# Altium PCB wikiduino-ap8248.PCBDOC (part 1 of 3)
Units mm, origin at the board's own origin, x right, y up, seen from the top; angles counter-clockwise.
Board outline 221.69 x 138.99 mm, 2 copper layers (Top Layer, Bottom Layer); 241 components, 174 nets, 760 pads, 816 vias.
Unrouted connection lines stored in the file: 487.
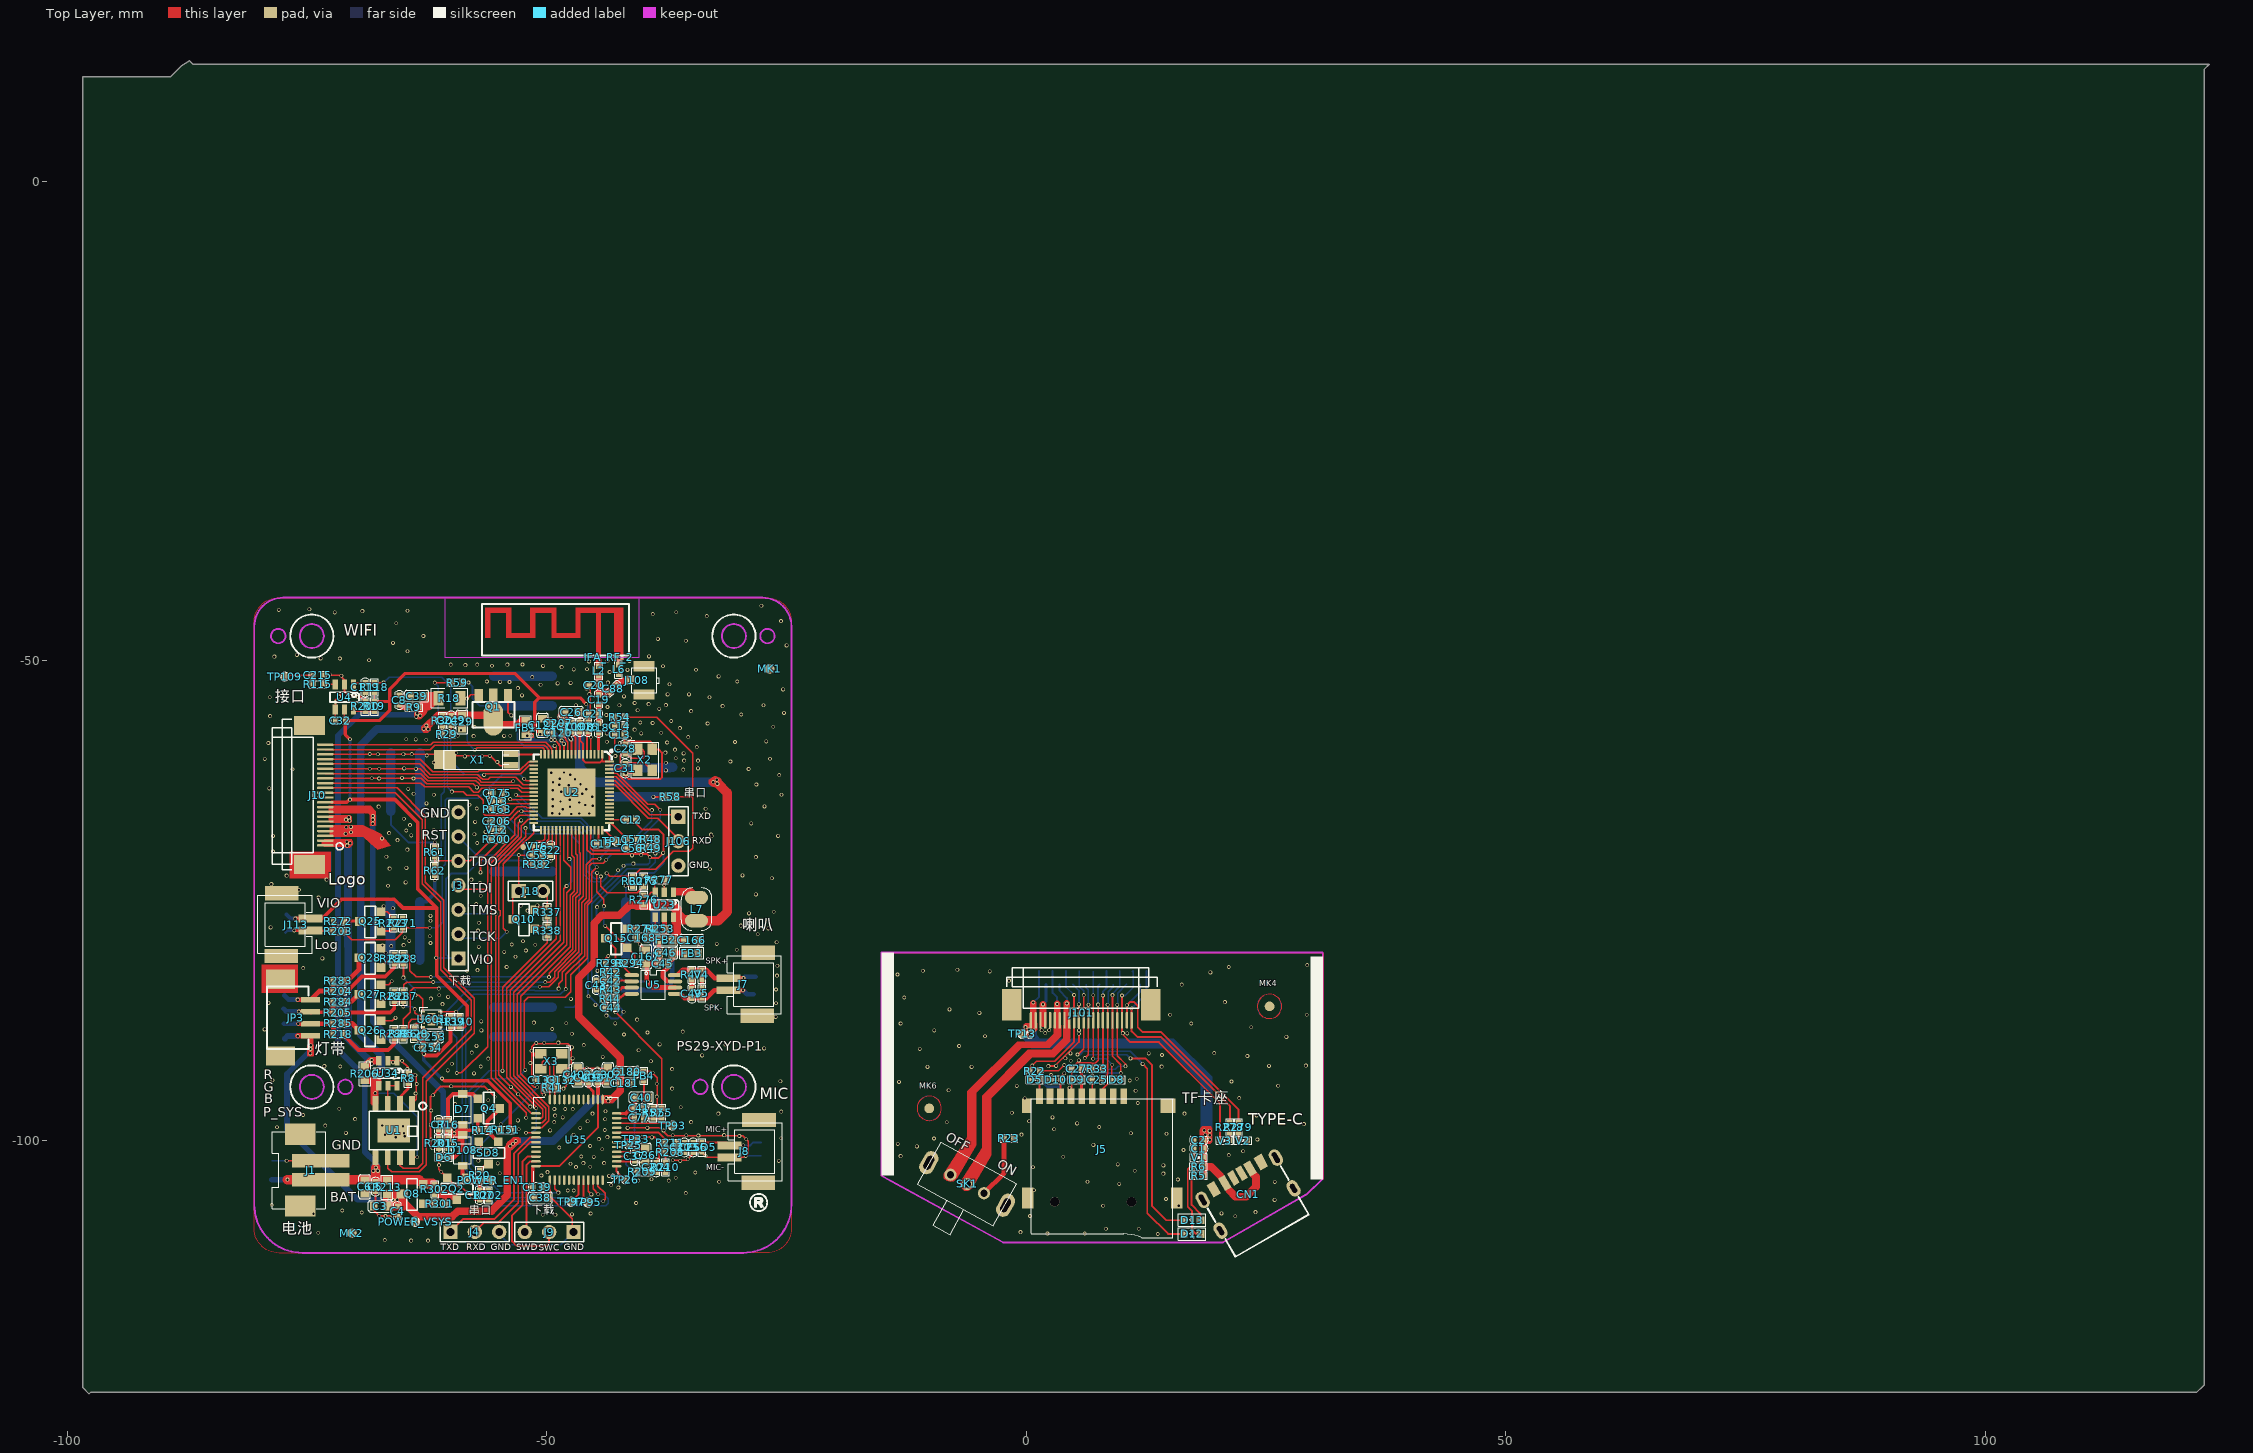
[diagram p0: Top Layer view]
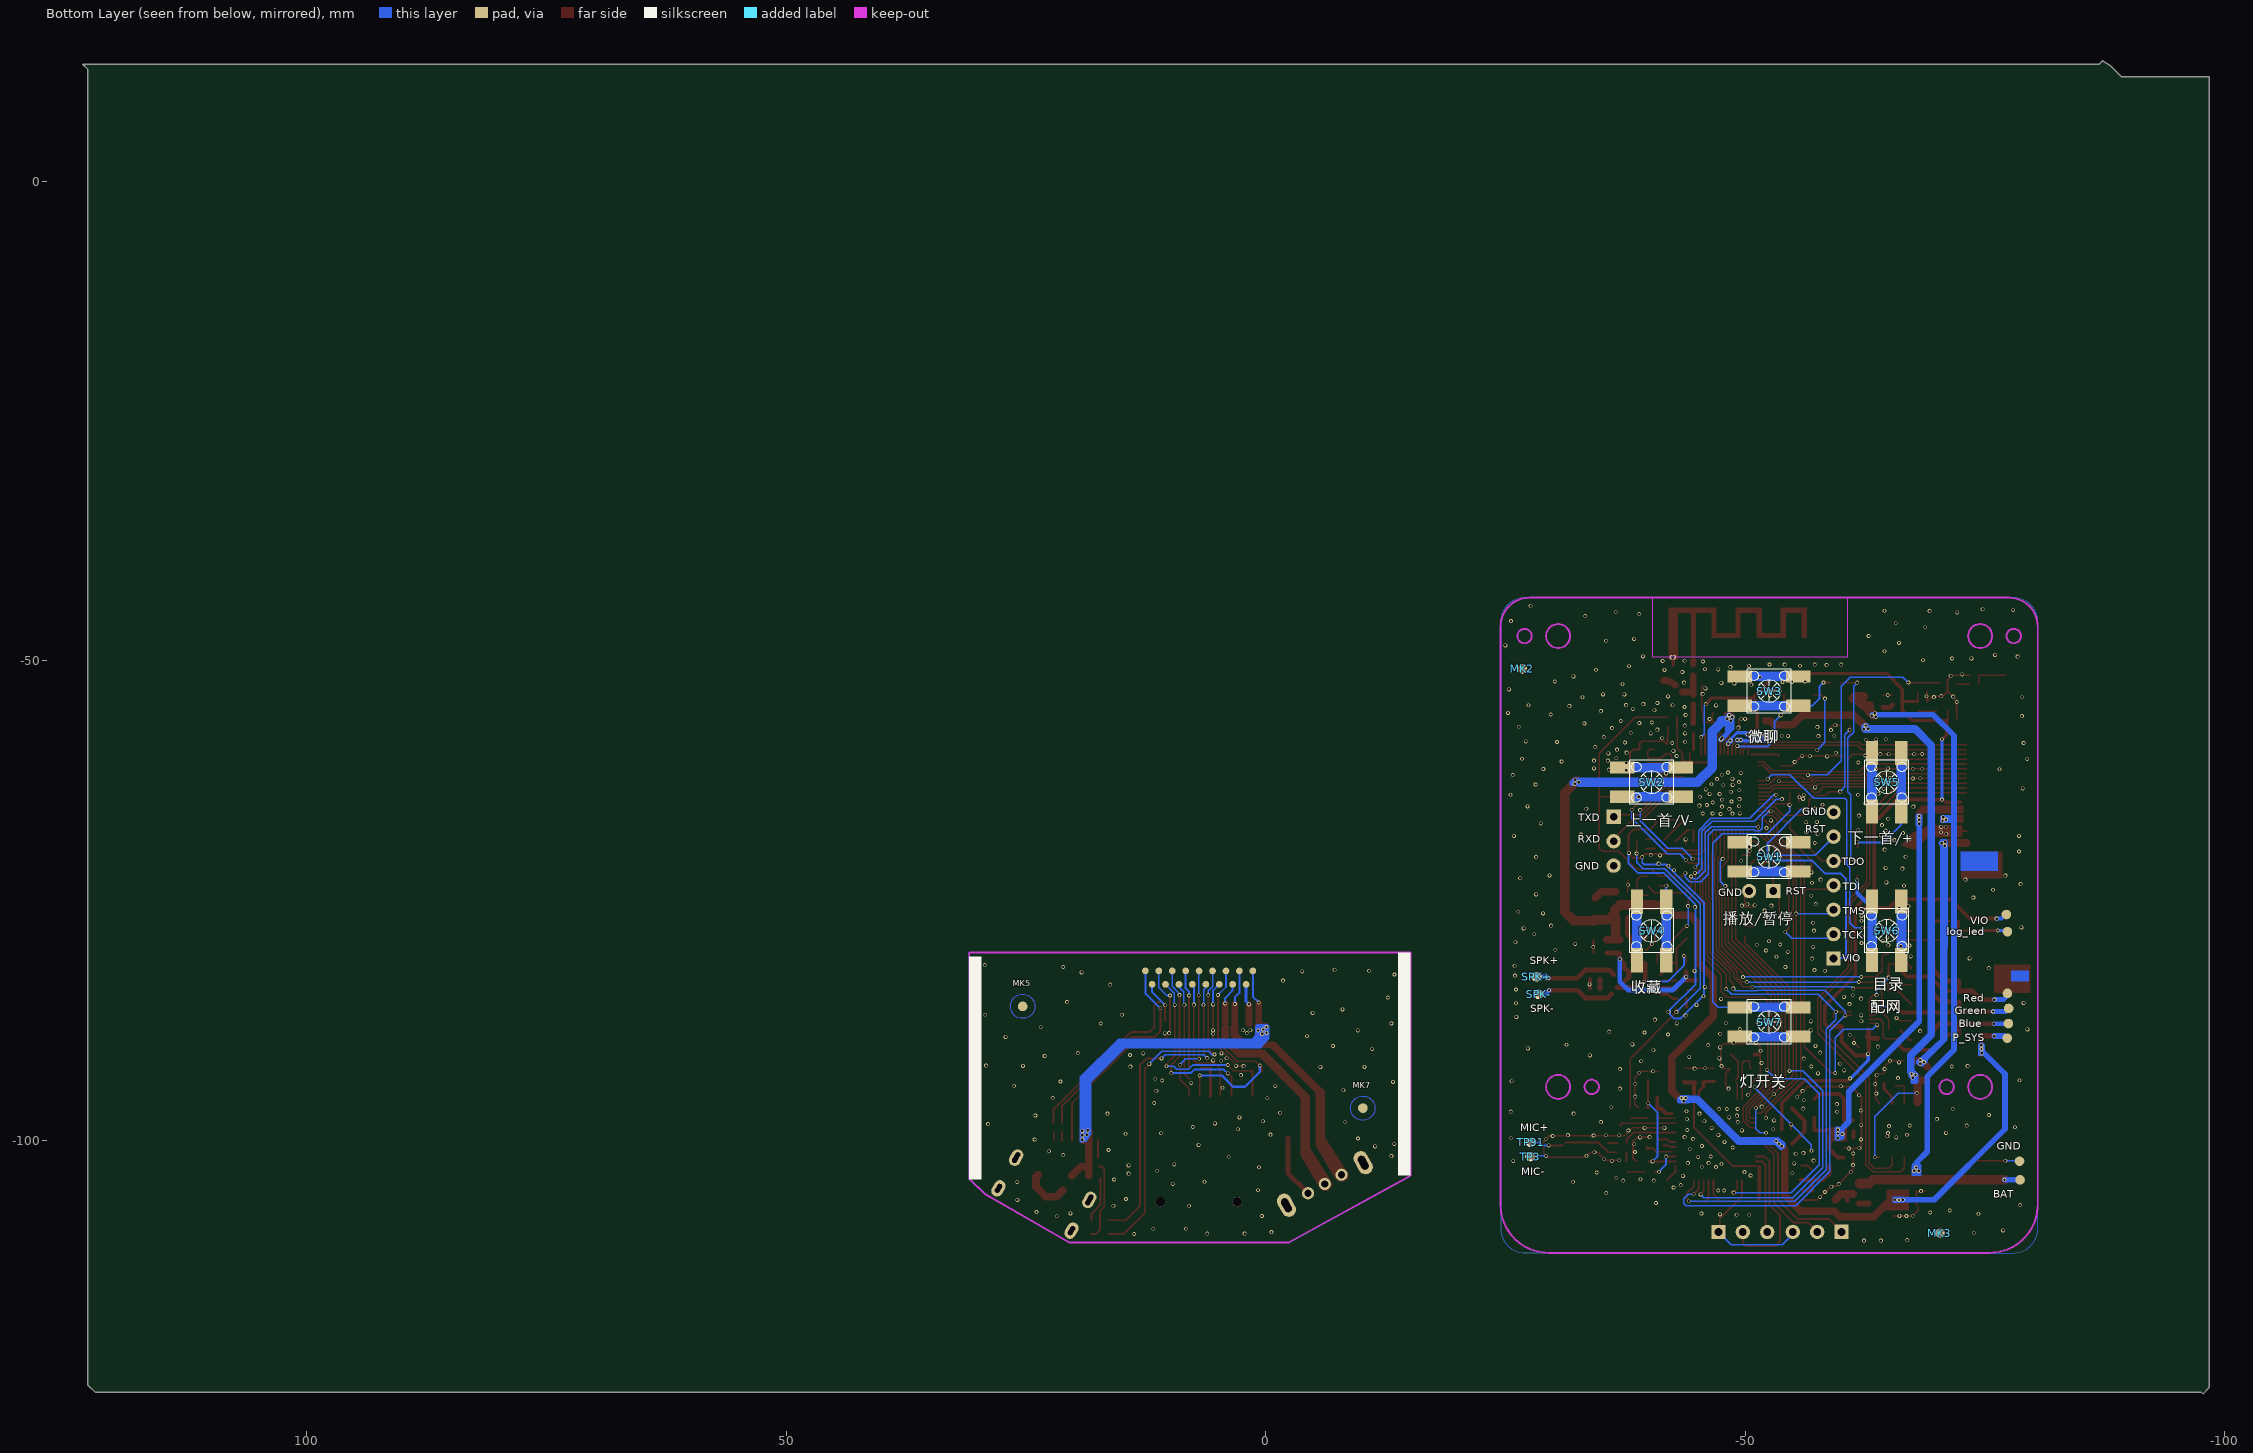
[diagram p1: Bottom Layer view, seen from below]

## Layer stack, top to bottom
Top Solder: solder mask 0.0102, Solder Resist, Dk 3.5
Top Layer: signal copper 0.0356
Dielectric1: core 0.32, FR-4, Dk 4.8
Bottom Layer: signal copper 0.0356
Bottom Solder: solder mask 0.0102, Solder Resist, Dk 3.5

## Board outline
-87.244,12.535 -86.888,12.18 66.223,12.18 123.322,12.18 122.814,11.672 122.814,-108.166 122.814,-125.488 122.662,-125.641 122.001,-126.301 -83.231,-126.301 -97.556,-126.301 -97.709,-126.454 -98.369,-125.793 -98.369,10.859 -89.225,10.859 -88.057,12.027

## Design rules (kind name [scope] priority, off if disabled: settings)
Clearance Clearance_4 [InNet('NetIFA_RF_2_2') vs InNet('GND')] p1: gap=0.17
Clearance Clearance_3 [InNet('NetC18_1') vs InNet('GND')] p2: gap=0.17
Clearance Clearance_2 [InNet('NetC19_1') vs InNet('GND')] p3: gap=0.17
Clearance Clearance_1 [InNet('NetC88_1') vs InNet('GND')] p4: gap=0.17
Clearance [All] p5: gap=0.17
FabricationTestPointUsage TestPointUsage [All] p1: valid=0 allowmultiple=FALSE
FabricationTestpoint Testpoint [All] p1: side=3 testpointundercomponent=TRUE minsize=1.016 maxsize=2.54 preferedsize=1.524 minholesize=0 maxholesize=1.016 preferedholesize=0.813 testpointgrid=0.025 allowsidetop=TRUE allowsidebottom=TRUE usegrid=TRUE gridtolerance=0
FlightTimeFalling [All] p1: maximum=1.000n
FlightTimeRising [All] p1: maximum=1.000n
HoleToHoleClearance [All] p1: gap=0 allowstackedmicrovias=TRUE
Length [All] p1: maxlimit=2540 minlimit=0
MatchedLengths [All] p1: tolerance=25.4 checknetsindiffpair=TRUE checkdiffpairvsdiffpair=TRUE checkothers=TRUE
MaxMinImpedance [All] p1: minimum=1.000 maximum=10.00
MinimumSolderMaskSliver [All] p1: minsoldermaskwidth=0
ParallelSegment [All] p1: limit=254 gap=0.254
PolygonConnect [All] p1: connectstyle=Direct reliefconductorwidth=0.254 reliefentries=4 polygonreliefangle="90 Angle" airgapwidth=0.254
RoutingVias "'Default' PADS rule_11" [All] p1: holewidth=0.2 width=0.4 viastyle="Through Hole" minholewidth=0.2 minwidth=0.4 maxholewidth=7 maxwidth=12
SMDToCorner "'Default' PADS rule_16" [All] p1: distance=59055
SMDToPlane "'Default' PADS rule_17" [All] p1: distance=59055
SilkToSilkClearance [All] p1: silktosilkclearance=0
SilkToSolderMaskClearance SilkscreenOverComponentPads [IsPad] p1: minsilkscreentomaskgap=0 clearancetoexposedcopper=TRUE
SolderMaskExpansion [All] p1: expansion=0.102
Width [All] p1: maxlimit=5 minlimit=0.1 preferedwidth=0.254 minimp=50.000000 maximp=50.000000 favimp=50.000000
23 further rules are at their usual default settings.

## Classes and differential pairs
component class 04-AP8248A2: C36 C37 C38 C40 C41 C132 C133 C139 C180 C181 C203 C204 C256 C301 C302 C402 C403 ESD5 FB4 J4 J8 J9 MK1 MK2 MK3 MK4 MK5 MK6 MK7 MK8 R41 R208 R209 R210 R211 TP25 TP26 TP33 TP91 TP92 TP93 TP95 TP97 U35 X3
component class 06__KEY: BAT C32 C119 C175 C206 C215 R19 R54 R58 R59 R60 R61 R62 R115 R118 R163 R200 R300 SW1 SW2 SW3 SW4 SW5 SW6 SW7 TP109 U4 V12 V13
component class 04__LED: C253 C254 J16 J113 JP3 Q25 Q26 Q27 Q28 R139 R140 R203 R204 R205 R218 R271 R272 R273 R280 R281 R282 R283 R284 R285 R286 R287 R288 R528 TP99 TP121 U3 U7 U601
component class 05__BK7251: C12 C13 C14 C15 C16 C18 C19 C20 C21 C22 C26 C28 C31 C42 C43 C44 C45 C46 C48 C49 C53 C56 C57 C77 C88 C108 C109 C120 C121 C166 C167 C168 C207 FB1 FB2 FB3 IFA_RF_2 J3 J7 J18 J106 J108 L2 L6 L7 Q10 Q15 R42 R43 R44 R46 R47 R48 R49 R55 R57 R253 R274 R275 R276 R277 R293 R294 R337 R338 R382 SPK SPK+ SPK- TP11 U2 U5 U23 V4 V5 V16 X1 X2
component class "07_Power & TF": C1 C2 C25 C27 CN1 D5 D8 D9 D10 D12 D13 J5 J101 R5 R6 R22 R23 R33 R278 R279 SK1 TP13 TP108 V1 V2 V3
component class 03__POWER&INTERFACE: C3 C4 C5 C6 C7 C8 C29 C39 C107 C249 D6 D7 D108 J1 J10 POWER_EN1 POWER_VSYS Q1 Q2 Q4 Q8 R8 R9 R14 R15 R16 R18 R20 R29 R30 R151 R201 R202 R206 R213 R301 R302 SD8 TP2 TP3 U1 U34

## Components (designator, comment, footprint, x,y, rotation, side; value= is the part's Value field where it differs from the comment)
C1 "4.7uF ±20％ X5R 10V" C0402 17.979,-100.885 r180 top
C2 "NC/100nF ±20% X5R 25V" C0402 17.979,-99.985 r180 top
C3 "10uF ±20％ X5R 10V" C0603 -67.332,-106.892 r0 top
C4 "100nF ±20% X5R 25V" C0402 -65.552,-107.392 r270 top
C5 "100nF ±20% X5R 25V" C0402 -67.86,-104.84 r90 top
C6 "10uF ±20％ X5R 10V" C0603 -68.978,-104.863 r90 top
C7 "4.7uF ±10% X5R 10V" C0402 -61.256,-98.411 r90 top
C8 "NC" C0402 -65.371,-54.114 r90 top
C12 "1uF" C0402 -41.211,-66.572 r180 top
C13 "1uF" C0402 -42.41,-57.72 r0 top
C14 "1uF" C0402 -42.41,-56.857 r0 top
C15 "NC" C0402 -44.289,-69.1 r180 top
C16 "4.7uF" C0402 -45.681,-56.92 r90 top
C18 "2.7pF ±5% NPO 50V" C0402 -44.582,-57.016 r270 top
C19 "1.2pF ±5% NPO 50V" C0402 -44.582,-54.062 r270 top
C20 "NC" C0402 -45.062,-52.544 r180 top
C21 "NC" C0402 -45.112,-55.538 r180 top
C22 "2.2uF" C0402 -49.564,-69.782 r90 top
C25 "4.7uF±20% Y5V 6.3V" C0402 7.377,-93.691 r180 top
C26 "10uF" C0603 -47.439,-55.384 r0 top
C27 "NC" C0402 5.243,-92.527 r180 top
C28 "9pF ±5% NPO 50V" C0402 -41.82,-59.206 r270 top
C29 "NC/10uF ±20％ X5R 10V" C0603 -58.818,-56.4 r90 top
C31 "9pF ±5% NPO 50V" C0402 -41.82,-61.238 r90 top
C32 "100nF ±20% X5R 25V" C0402 -71.518,-56.247 r180 top
C36 "10uF ±20％ X5R 6.3V" C0603 -39.717,-101.561 r270 top
C37 "100nF ±20% X5R 25V" C0402 -40.835,-101.662 r270 top
C38 "10uF ±20％ X5R 10V" C0603 -50.662,-106.012 r0 top
C39 "NC/10uF ±20％ X5R 10V" C0603 -63.542,-53.707 r0 top
C40 "10uF ±20％ X5R 6.3V" C0603 -40.124,-95.566 r0 top
C41 "100nF ±20% X5R 6.3V" C0402 -40.378,-96.684 r0 top
C42 "1uF ±20% X5R 25V" C0402 -43.327,-83.369 r180 top
C43 "470nF ±20% X5R 25V" C0402 -44.828,-83.819 r90 top
C44 "470nF ±10% X5R 10V" C0402 -43.324,-86.168 r0 top
C45 "100nF ±20% X5R 25V" C0402 -37.888,-81.596 r180 top
C46 "10uF ±20％ X5R 10V" C0603 -37.584,-80.479 r180 top
C49 "1nF ±20% X7R 50V" C0402 -34.858,-84.715 r270 top
C53 "100nF ±20% X5R 25V" C0402 -51.012,-70.272 r180 top
C56 "1uF ±10% X5R 10V" C0402 -41.08,-69.58 r180 top
C57 "NC/1uF ±10% X5R 10V" C0402 -41.101,-68.627 r180 top
C77 "1uF ±10% X5R 10V" C0402 -40.378,-97.66 r180 top
C88 "NC/22pF ±5% NPO 50V" C0402 -43.072,-52.932 r225 top
C107 "NC/1uF ±10% X5R 10V" C0402 -56.989,-105.726 r90 top
C108 "4.7uF" C0402 -46.545,-56.92 r90 top
C109 "2.2uF" C0402 -47.439,-56.908 r90 top
C119 "100nF ±20% X5R 25V" C0402 -68.927,-52.79 r270 top
C120 "1uF" C0402 -48.81,-57.517 r180 top
C121 "10uF" C0603 -50.436,-56.755 r90 top
C132 "NC/12pF ±5% NPO 50V" C0402 -48.455,-93.738 r180 top
C133 "NC/12pF ±5% NPO 50V" C0402 -50.487,-93.738 r0 top
C139 "100nF ±20% X5R 25V" C0402 -50.982,-104.902 r0 top
C166 "10uF ±20％ X5R 10V" C0603 -34.891,-79.147 r180 top
C167 "22uF ±20％ X5R 10V" C0603 -39.666,-80.885 r270 top
C168 "100nF ±20% X5R 25V" C0402 -40.073,-78.904 r0 top
C175 "10nF ±20% X5R 25V" C0402 -55.152,-63.832 r0 top
C180 "10uF ±20％ X5R 10V" C0603 -41.648,-92.874 r0 top
C181 "100nF ±20% X5R 25V" C0402 -41.851,-94.042 r0 top
C203 "1uF ±10% X5R 10V" C0402 -35.653,-100.748 r90 top
C204 "4.7uF ±10% X5R 10V" C0402 -38.6,-102.831 r270 top
C206 "10nF ±20% X5R 25V" C0402 -55.192,-66.722 r0 top
C207 "100nF" C0402 -48.81,-56.552 r180 top
C215 "47pF ±5% NPO 50V" C0402 -73.855,-51.523 r0 top
C249 "4.7uF ±20％ X5R 10V" C0402 -59.946,-56.244 r270 top
C253 "10uF ±20％ X5R 10V" C0603 -62.01,-89.221 r0 top
C254 "1uF ±10% X5R 10V" C0402 -62.366,-90.338 r0 top
C256 "47pF ±20% X5R 25V" C0402 -34.739,-100.748 r270 top
C301 "100nF ±20% X5R 25V" C0402 -44.746,-93.484 r270 top
C302 "10uF ±20％ X5R 10V" C0603 -43.629,-93.179 r90 top
C402 "4.7uF ±20％ X5R 10V" C0603 -46.778,-93.179 r90 top
C403 "100nF ±20% X5R 25V" C0402 -45.661,-93.484 r90 top
CN1 "TYPE-C" TYPE-C 23.125,-105.623 r30 top
D5 "NC/ESD9B5V-2/TR" ESD0402 0.874,-93.691 r180 top
D6 "NC/ESD9B5V-2/TR" ESD0402 -60.742,-101.802 r180 top
D7 "1N4004W" SOD-123 -58.767,-96.786 r0 top
D8 "NC/ESD9B5V-2/TR" ESD0402 9.409,-93.691 r0 top
D9 "NC/ESD9B5V-2/TR" ESD0402 5.248,-93.702 r180 top
D10 "NC/ESD9B5V-2/TR" ESD0402 3.059,-93.691 r180 top
D12 "Red/LED" LED0603 17.275,-109.773 r180 top
D13 "Green/LED" LED0603 17.275,-108.343 r180 top
D108 "1N4004W" SOD-123 -58.767,-101.053 r180 top
ESD5 "NC/ESD9B5V-2/TR" ESD0402 -33.824,-100.748 r270 top
FB1 "NC/0R" L0603 -52.202,-56.992 r270 top
FB2 "NC/0R" L0603 -37.584,-79.127 r180 top
FB3 "0R±5%" L0603 -34.891,-80.499 r0 top
FB4 "0R" R0402 -39.872,-93.292 r270 top
IFA_RF_2 "ANT-WIFI-2.4G" IFA_RF_1 -44.544,-49.643 r180 top
J1 "PH2.0-2PTB" PH2.0-2PTB -74.617,-103.125 r270 top
J3 "PIN7" SIP100-7P -59.202,-73.432 r90 top
J4 "CON3" SIP100-3P -57.497,-109.562 r0 top
J5 "MIcro USB" TF_CARD-AUTO-NO 10.964,-106.42 r0 top
J7 "1.25-2PTB" SIP2-1.25MM-WA -31.537,-83.117 r270 top
J8 "1.25T-2PTB" SIP2-1.25MM-WA -31.437,-100.545 r270 top
J9 "CON3" SIP100-3P -49.747,-109.572 r180 top
J10 "FPC0.5-22P" CON05-22P-R -73.906,-64.02 r90 top
J18 "PIN2" SIP100-2P -51.662,-74.022 r0 top
J101 "FPC0.5-22P" CON05-22P-R 5.73,-86.692 r0 top locked
J106 "PIN3" SIP100-3P -36.272,-68.832 r270 top
J108 "NC/ANT2" ANT -40.592,-52.062 r270 top
J113 "1.25-2PTB" SIP2-1.25MM-WA -74.109,-78.142 r90 top
JP3 "1.25T-4PTB" 1.25T-4PTB -76.293,-87.235 r90 top
L2 "0R±5%" L0402 -44.582,-51.08 r90 top
L6 "0R±5%" L0402 -42.502,-50.922 r90 top
L7 "2.2uH-1.5A" L3015 -34.383,-75.907 r270 top
MK1 "MARK" MKD#1 -26.759,-50.871 r90 top
MK2 "MARK" MKD#1 -70.302,-109.692 r180 top
MK2 "" MKD#2 -26.759,-50.871 r270 bottom
MK3 "MARK" MKD#2 -70.299,-109.689 r0 bottom
MK4 "MARK" MKD#3 25.36,-86.04 r0 top
MK5 "MARK" MKD#4 25.33,-86.04 r180 bottom
MK6 "MARK" MKD#3 -10.12,-96.68 r0 top
MK7 "MARK" MKD#4 -10.13,-96.66 r180 bottom
POWER_EN1 "TP25RD" TPC#1 -55.762,-104.162 r90 top
POWER_VSYS "TP25RD" TPC#1 -63.722,-108.502 r90 top
Q1 "NC/BCX51" SOT-89-3L -55.567,-54.825 r90 top
Q2 "MMBT3904" SOT-23 -59.377,-105.066 r180 top
Q4 "SI2301" SOT-23 -56.024,-96.684 r270 top
Q8 "AO3415" SOT-23 -64.052,-105.615 r90 top
Q10 "MMBT3904" SOT-23 -52.392,-76.982 r90 top
Q15 "NC/MMBT3904" SOT-23 -42.765,-78.955 r90 top
Q25 "MMBT3904" SOT-23 -68.419,-77.204 r90 top
Q26 "MMBT8050C" SOT-23 -68.439,-88.54 r90 top
Q27 "MMBT8050C" SOT-23 -68.439,-84.784 r90 top
Q28 "MMBT8050C" SOT-23 -68.439,-81.005 r90 top
R5 "240R±5%" R0402 17.955,-103.693 r0 top
R6 "240R±5%" R0402 17.955,-102.753 r0 top
R8 "1K±1%" R0402 -64.452,-93.562 r270 top
R9 "NC" R0402 -63.847,-54.876 r180 top
R14 "NC/1K±5%" R0402 -56.684,-98.97 r180 top
R15 "10K±5%" R0402 -60.291,-100.342 r90 top
R16 "510K±5%" R0402 -60.291,-98.411 r270 top
R18 "NC/0.4R±5%" L0805 -60.139,-53.91 r0 top
R19 "0R±1%" R0402 -67.962,-54.771 r90 top
R20 "100K±5%" R0402 -56.989,-103.635 r270 top
R22 "10K±5%" R0402 0.874,-92.828 r0 top
R23 "1K±5%" R0402 -1.818,-99.787 r0 top
R29 "100K±5%" R0402 -60.412,-57.702 r0 top
R30 "47K±5%" R0402 -60.872,-56.272 r270 top
R33 "33R±5%" R0402 7.41,-92.53 r180 top
R41 "NC/1M±1%" R0402 -49.42,-94.55 r0 top
R42 "100K±1%" R0402 -43.327,-82.469 r180 top
R43 "47K±1%" R0402 -43.327,-84.319 r0 top
R44 "47K±1%" R0402 -43.354,-85.242 r0 top
R47 "1.5R±1%" R0402 -34.868,-82.747 r270 top
R48 "NC/59K±1%" R0402 -39.17,-68.627 r0 top
R49 "59K±1%" R0402 -39.17,-69.58 r0 top
R54 "20K±1%" R0402 -42.392,-55.922 r0 top
R55 "10K±5%" R0402 -37.99,-97.162 r270 top
R57 "1K±5%" R0402 -38.904,-97.162 r270 top
R58 "3.1K±1%" R0402 -37.102,-64.172 r180 top
R59 "7.3K±1%" R0402 -59.326,-52.285 r0 top
R60 "13.3K±1%" R0402 -41.032,-73.002 r270 top
R61 "22.8K±1%" R0402 -61.682,-69.972 r90 top
R62 "40K±1%" R0402 -61.688,-71.897 r270 top
R115 "100R±1%" R0402 -73.855,-52.488 r180 top
R118 "10K±1%" R0402 -67.962,-52.79 r90 top
R139 "NC/4.7K±5%" R0402 -60.02,-87.648 r270 top
R140 "NC/4.7K±5%" R0402 -59.115,-87.648 r270 top
R151 "NC/10K±5%" R0402 -54.297,-98.919 r0 top
R163 "10K±1%" R0402 -55.152,-65.522 r0 top
R200 "NC/0R±1%" R0402 -68.927,-54.771 r270 top
R201 "1K±5%" R0402 -61.256,-100.342 r90 top
R202 "100K±5%" R0402 -56.075,-105.727 r270 top
R203 "33R±5%" R0402 -71.742,-78.202 r180 top
R204 "NC/33R±5%" R0402 -71.752,-84.452 r180 top
R205 "NC/33R±5%" R0402 -71.772,-86.692 r180 top
R206 "NC/0R±5%" L0603 -68.962,-93.052 r270 top
R208 "1.5K±1%" R0402 -37.126,-101.256 r180 top
R209 "240R±5%" R0402 -40.022,-103.288 r180 top
R210 "1K±1%" R0402 -37.634,-102.831 r270 top
R211 "100R±5%" R0402 -37.126,-100.291 r180 top
R213 "NC/0R±5%" R0603 -66.641,-104.903 r90 top
R218 "NC/33R±5%" R0402 -71.752,-88.952 r180 top
R253 "120K±1%" R0402 -38.162,-77.979 r0 top
R271 "1K±5%" R0402 -65.016,-77.356 r270 top
R272 "33R±5%" R0402 -71.724,-77.154 r0 top
R273 "10K±5%" R0402 -65.981,-77.356 r90 top
R274 "13K±1%" R0402 -40.073,-77.979 r0 top
R275 "10K±5%" R0402 -39.87,-73.007 r90 top
R276 "10K±5%" R0402 -39.87,-74.948 r90 top
R277 "10K±5%" R0402 -38.244,-72.859 r180 top
R278 "NC/0R±5%" R0402 21.224,-98.645 r270 top
R279 "NC/0R±5%" R0402 22.114,-98.645 r270 top
R280 "1K±5%" R0402 -65.919,-88.921 r270 top
R281 "1K±5%" R0402 -65.899,-85.017 r270 top
R282 "1K±5%" R0402 -65.899,-81.105 r270 top
R283 "33R±5%" R0402 -71.741,-83.391 r0 top
R284 "33R±5%" R0402 -71.741,-85.576 r0 top
R285 "33R±5%" R0402 -71.741,-87.832 r0 top
R286 "NC/0R±5%" R0402 -64.954,-88.921 r90 top
R287 "NC/0R±5%" R0402 -64.934,-85.017 r270 top
R288 "NC/0R±5%" R0402 -64.934,-81.105 r270 top
R293 "NC/4.7K±5%" R0402 -43.345,-81.535 r0 top
R294 "33R±5%" R0402 -41.343,-81.546 r0 top
R300 "0R±1%" R0402 -55.212,-68.612 r0 top
R301 "10K±5%" R0402 -61.155,-106.6 r0 top
R302 "4.7K±5%" R0402 -61.663,-105.117 r90 top
R337 "10K±5%" R0402 -49.942,-76.222 r90 top
R338 "10K±5%" R0402 -49.942,-78.182 r270 top
R382 "10K±5%" R0402 -50.962,-71.212 r0 top
R528 "4.7K±5%" R0402 -63.792,-88.882 r270 top
SD8 "BAT54C" SOT-23 -56.062,-101.34 r180 top
SK1 "SK12D07VG4" SK12D07VG3 -6.165,-104.563 r331 top
SPK+ "TP25RD" TPC#1 -28.242,-82.962 r90 bottom
SPK- "TP25RD" TPC#1 -28.452,-84.782 r90 bottom
SW1 "4.5*4.5*5" SW-4.5X4.5-SMT1 -52.484,-70.458 r0 bottom locked
SW2 "4.5*4.5*5" SW-4.5X4.5-SMT1 -40.232,-62.678 r0 bottom
SW3 "4.5*4.5*5" SW-4.5X4.5-SMT1 -52.482,-53.178 r0 bottom locked
SW4 "4.5*4.5*5" SW-4.5X4.5-SMT1 -40.232,-78.178 r270 bottom
SW5 "4.5*4.5*5" SW-4.5X4.5-SMT1 -64.732,-62.678 r270 bottom locked
SW6 "4.5*4.5*5" SW-4.5X4.5-SMT1 -64.747,-78.167 r90 bottom locked
SW7 "4.5*4.5*5" SW-4.5X4.5-SMT1 -52.482,-87.678 r180 bottom locked
TP3 "TP25RD" TPC#1 -27.592,-101.702 r0 bottom
TP11 "TP25RD" TPC#1 -42.765,-68.846 r90 top
TP13 "TP25RD" TPC#1 -0.446,-88.916 r90 top
TP25 "TP" TPC#2 -41.502,-100.512 r90 top
TP26 "TP" TPC#2 -41.832,-104.122 r270 top
TP33 "TP" TPC#2 -40.742,-99.922 r90 top
TP91 "TP" TPC#1 -27.652,-100.232 r90 bottom
TP93 "TP" TPC#1 -36.892,-98.472 r90 top
TP95 "TP" TPC#1 -45.702,-106.492 r90 top
TP97 "TP" TPC#1 -47.432,-106.412 r90 top
TP109 "TP25RD" TPC#1 -77.309,-51.675 r270 top
U1 "AP5056" SOP8_PAD -65.941,-98.985 r180 top
U2 "BK7251_0" QFN68_8*8 -47.408,-63.727 r270 top
U4 "TW301" SOT23-6 -71.091,-53.801 r180 top
U5 "FT2011M" MSOP-8 -41.122,-82.794 r270 top
U23 "SGM66051" SOT23-6 -37.736,-75.45 r180 top
U34 "LP5300B6F" SOT23-6 -66.552,-93.022 r180 top
U35 "AP8248A2" LQFP-48L -46.918,-99.956 r90 top
U601 "AW2023DNR" DFN-10L -62.01,-87.392 r270 top
V1 "NC/ESD9B5V-2/TR" ESD0402 17.979,-101.81 r180 top
V2 "NC/ESD9B5V-2/TR" ESD0402 22.594,-100.045 r0 top
V3 "NC/ESD9B5V-2/TR" ESD0402 20.694,-100.045 r180 top
V4 "NC/ESD9B5V-2/TR" ESD0402 -33.818,-82.757 r270 top
V5 "NC/ESD9B5V-2/TR" ESD0402 -33.818,-84.684 r90 top
V12 "NC/ESD9B5V-2/TR" ESD0402 -55.192,-67.622 r180 top
V13 "NC/ESD9B5V-2/TR" ESD0402 -55.152,-64.682 r180 top
V16 "NC/ESD9B5V-2/TR" ESD0402 -50.982,-69.352 r0 top
X1 "NC/32.768KHz" CRY2_6R90X1R40X1R30 -56.422,-60.322 r180 top
X2 "Crystal 24MHz 20pF 10ppm  -30 to +85" SMD_3225 -39.757,-60.356 r270 top
X3 "12MHz" SMD_3225 -49.522,-91.756 r180 top

## Footprints (in the part's own frame and the unit in brackets; to place one, negate y for a bottom-side part, rotate by r counter-clockwise, add the part's x,y. Pads: shape width x height; smd on the part's side, far side on the other; paste and mask are expansions set on the pad)
1.25T-4PTB [mm]
  rect 2x3 smd: 0(-4,1.45) 0(4.01,1.45)
  rect 0.6x2 smd: 1(-1.875,-1.68) 2(-0.625,-1.68) 3(0.625,-1.68) 4(1.875,-1.68)
  silkscreen extent -3.25,-1.45 3.25,2.85
ANT [mm]
  rect 1x1.05 smd: 1(0,-0.775)
  rect 1.05x2.2 smd: 2(-1.475,0.75) 3(1.475,0.75)
  Top Layer pour cut-out: -1.3,2.05 -1.3,-0.575 1.3,-0.575 1.3,2.05
  silkscreen extent -1.3,-0.55 1.3,2.3
C0402 [mm]
  rect 0.575x0.575 smd: 1(-0.5,0) 2(0.5,0)
  Top Layer pour cut-out: -0.2,0.4 0.2,0.4 0.2,-0.4 -0.2,-0.4 -0.2,0.4
  silkscreen extent -0.96,-0.4 0.96,0.4
C0603 [mil]
  rect 31.5x35.4 smd: 1(-27.56,0) 2(27.56,0)
  Top Layer pour cut-out: -10,20 -10,-20 10,-20 10,20
  silkscreen extent -49,-24 49,24
CON05-22P-R [mm]
  oval 0.25x1.75 smd: 1(-5.25,-0.813) 2(-4.75,-0.813) 3(-4.25,-0.813) 4(-3.75,-0.813) 5(-3.25,-0.813) 6(-2.75,-0.813) 7(-2.25,-0.813) 8(-1.75,-0.813) 9(-1.25,-0.813) 10(-0.75,-0.813) 11(-0.25,-0.813) 12(0.25,-0.813) 13(0.75,-0.813) 14(1.25,-0.813) 15(1.75,-0.813) 16(2.25,-0.813) 17(2.75,-0.813) 18(3.25,-0.813) 19(3.75,-0.813) 20(4.25,-0.813) 21(4.75,-0.813) 22(5.25,-0.813)
  rect 2x3.25 smd: 25(7.25,0.813) 26(-7.25,0.813)
  silkscreen extent -7.79,-2.69 7.92,4.69
CRY2_6R90X1R40X1R30 [mm]
  rect 1.524x0.7 smd: 1(-2.7,0.6) 2(-2.7,-0.6)
  rect 2.286x2 smd: 3(4.2,0)
  Top Layer pour cut-out: -3.558,1.054 3.059,1.054 3.059,-1.132 -3.558,-1.132
  silkscreen extent -3.55,-1 4.3,1
DFN-10L [mm]
  rect 0.2x0.45 smd: 1(-0.8,-0.925) 2(-0.4,-0.925) 3(0,-0.925) 4(0.4,-0.925) 5(0.8,-0.925) 6(0.8,0.925) 7(0.4,0.925) 8(0,0.925) 9(-0.4,0.925) 10(-0.8,0.925)
  rect 1.3x0.8 smd: 11(0,0)
  silkscreen extent -1.25,-1.25 1,1
ESD0402 [mm]
  rect 0.5x0.5 smd: 1(-0.5,0) 2(0.5,0)
  Top Layer pour cut-out: -0.127,-0.254 -0.127,0.254 0.127,0.254 0.127,-0.254
  silkscreen extent -0.9,-0.4 0.9,0.4
IFA_RF_1 [mm]
  rect 0.9x0.5 / inner rect 0.9x0.5 / far side oval 0.7x0.5 hole 0.4: 1(-2.1,0)
  rect 0.5x0.5 smd: 2(0.05,0)
  Top Layer region: -1.599,0.25 -1.599,-5.15 -2.498,-5.15 -2.498,0.25
  Top Layer region: 0.301,-0.092 0.301,-4.9 -0.2,-4.9 -0.2,-0.092
  Top Layer region: 2.4,-5.15 -2.1,-5.15 -2.1,-4.651 2.4,-4.651
  Top Layer region: 4.95,-2.01 4.95,-2.51 1.95,-2.51 1.95,-2.01
  Top Layer region: 4.95,-2.01 4.95,-5.15 4.449,-5.15 4.449,-2.01
  Top Layer region: 2.45,-2.01 2.45,-5.15 1.95,-5.15 1.95,-2.01
  Top Layer region: 7.15,-4.65 7.15,-5.15 4.449,-5.15 4.449,-4.65
  Top Layer region: 9.65,-2.01 9.65,-2.51 6.949,-2.51 6.949,-2.01
  Top Layer region: 11.85,-2.01 11.85,-5.15 11.35,-5.15 11.35,-2.01
  Top Layer region: 9.65,-2.01 9.65,-5.15 9.15,-5.15 9.15,-2.01
  Top Layer region: 7.15,-2.01 7.15,-5.15 6.65,-5.15 6.65,-2.01
  Top Layer region: 11.85,-4.651 11.85,-5.15 9.15,-5.15 9.15,-4.651
  Keep-Out Layer pour cut-out: 16.104,-6.203 16.1,0 -4.166,0 -4.166,-6.203
  silkscreen extent -3.12,-5.53 12.23,-0.18
L0402 [mm]
  rect 0.575x0.575 smd: 1(-0.5,0) 2(0.5,0)
  silkscreen extent -0.9,-0.4 0.9,0.4
L0603 [mil]
  rect 31.5x35.4 smd: 1(-27.56,0) 2(27.56,0)
  Top Layer pour cut-out: -12.6,22.44 14.17,22.44 14.17,-23.23 -12.6,-23.23
  silkscreen extent -49,-24 49,24
L0805 [mil]
  rect 40x60 smd: 1(-45,0) 2(45,0)
  silkscreen extent -75,-40 75,40
L3015 [mm]
  oval 1.4x2.4 smd: 1(-1.2,0.001) 2(1.2,0.001)
  Top Layer pour cut-out: -2.125,1.5 2.125,1.5 2.125,-1.425 -2.125,-1.425
  silkscreen extent -2.2,-1.6 2.2,1.6
LED0603 [mil]
  rect 32x32 smd: 1(-34.19,0.06) 2(34.19,-0.06)
  silkscreen extent -55,-26 56,25
LQFP-48L [mm]
  oval 0.25x1 smd: 1(-2.75,-4.2) 2(-2.25,-4.2) 3(-1.75,-4.2) 4(-1.25,-4.2) 5(-0.75,-4.2) 6(-0.25,-4.2) 7(0.25,-4.2) 8(0.75,-4.2) 9(1.25,-4.2) 10(1.75,-4.2) 11(2.25,-4.2) 12(2.75,-4.2) 25(2.75,4.2) 26(2.25,4.2) 27(1.75,4.2) 28(1.25,4.2) 29(0.75,4.2) 30(0.25,4.2) 31(-0.25,4.2) 32(-0.75,4.2) 33(-1.25,4.2) 34(-1.75,4.2) 35(-2.25,4.2) 36(-2.75,4.2)
  oval 1x0.25 smd: 13(4.2,-2.75) 14(4.2,-2.25) 15(4.2,-1.75) 16(4.2,-1.25) 17(4.2,-0.75) 18(4.2,-0.25) 19(4.2,0.25) 20(4.2,0.75) 21(4.2,1.25) 22(4.2,1.75) 23(4.2,2.25) 24(4.2,2.75) 37(-4.2,2.75) 38(-4.2,2.25) 39(-4.2,1.75) 40(-4.2,1.25) 41(-4.2,0.75) 42(-4.2,0.25) 43(-4.2,-0.25) 44(-4.2,-0.75) 45(-4.2,-1.25) 46(-4.2,-1.75) 47(-4.2,-2.25) 48(-4.2,-2.75)
  silkscreen extent -4.41,-4.36 4.44,4.42
MKD#1 [mil]
  round 40 smd: ""(0,-0.06)
  round 80 on Top Solder: ""(0,-0.06)
MKD#2 [mil]
  round 40 smd: ""(0,-0.06)
  round 80 on Bottom Solder: ""(0,-0.06)
MKD#3 [mil]
  round 40 smd: ""(0,-0.06)
  round 80 on Top Solder: ""(0,-0.06)
  Top Layer circle w3.94: c0,-0.06 r50
MKD#4 [mil]
  round 40 smd: ""(0,-0.06)
  round 80 on Bottom Solder: ""(0,-0.06)
  Top Layer circle w3.94: c0,-0.06 r50
MSOP-8 [mm]
  oval 0.409x1.501 smd: 1(0,0) 2(0.65,-0.016) 3(1.3,-0.016) 4(1.95,-0.016) 5(1.95,4.5) 6(1.3,4.5) 7(0.65,4.5) 8(0,4.5)
  silkscreen extent -0.5,1 2.5,3.5
PH2.0-2PTB [mm]
  rect 2.2x3.2 smd: 0(-3.75,-1.077) 0(3.75,-1.067)
  rect 1.4x6 smd: 1(1,1.077) 2(-1,1.077)
  silkscreen extent -4,-3.97 4,1.53
QFN68_8*8 [mil]
  rect 35.44x8.66 smd: 1(-155.5,126) 2(-155.5,110.25) 3(-155.5,94.5) 4(-155.5,78.76) 5(-155.5,63.01) 6(-155.5,47.26) 7(-155.5,31.51) 8(-155.5,15.76) 9(-155.5,0.02) 10(-155.5,-15.73) 11(-155.5,-31.48) 12(-155.5,-47.23) 13(-155.5,-62.98) 14(-155.5,-78.72) 15(-155.5,-94.47) 16(-155.5,-110.22) 17(-155.5,-125.97) 35(155.5,-126) 36(155.5,-110.25) 37(155.5,-94.5) 38(155.5,-78.76) 39(155.5,-63.01) 40(155.5,-47.26) 41(155.5,-31.51) 42(155.5,-15.76) 43(155.5,-0.02) 44(155.5,15.73) 45(155.5,31.48) 46(155.5,47.23) 47(155.5,62.98) 48(155.5,78.72) 49(155.5,94.47) 50(155.5,110.22) 51(155.5,125.97)
  rect 8.66x35.44 smd: 18(-126,-155.5) 19(-110.25,-155.5) 20(-94.5,-155.5) 21(-78.76,-155.5) 22(-63.01,-155.5) 23(-47.26,-155.5) 24(-31.51,-155.5) 25(-15.76,-155.5) 26(-0.02,-155.5) 27(15.73,-155.5) 28(31.48,-155.5) 29(47.23,-155.5) 30(62.98,-155.5) 31(78.72,-155.5) 32(94.47,-155.5) 33(110.22,-155.5) 34(126,-155.5) 52(126,155.5) 53(110.25,155.5) 54(94.5,155.5) 55(78.76,155.5) 56(63.01,155.5) 57(47.26,155.5) 58(31.51,155.5) 59(15.76,155.5) 60(0.02,155.5) 61(-15.73,155.5) 62(-31.48,155.5) 63(-47.23,155.5) 64(-62.98,155.5) 65(-78.72,155.5) 66(-94.47,155.5) 67(-110.22,155.5) 68(-125.97,155.5)
  rect 196.85x196.85 smd: 69(0,0)
  Top Layer pour cut-out: -138,138 138,138 138,-138 -138,-138
  silkscreen extent -174,-155 155,168
R0402 [mm]
  rect 0.575x0.575 smd: 1(-0.5,0) 2(0.5,0)
  silkscreen extent -0.9,-0.4 0.9,0.4
R0603 [mil]
  rect 31.5x35.4 smd: 1(-27.56,0) 2(27.56,0)
  Top Layer pour cut-out: -12.6,22.44 14.17,22.44 14.17,-23.23 -12.6,-23.23 -12.6,22.44
  silkscreen extent -49,-24 49,24
SIP2-1.25MM-WA [mm]
  rect 0.8x2.5 smd: 1(1.25,0.5) 2(0,0.5)
  rect 1.5x3.5 smd: 3(-2.65,3.57) 4(3.9,3.501)
  silkscreen extent -2.37,0.36 3.7,6
SIP100-2P [mm]
  rect 1.5x1.5 hole 0.8: 1(-1.27,0)
  round 1.5 hole 0.8: 2(1.27,0)
  silkscreen extent -2.33,-1.02 2.31,1.02
SIP100-3P [mm]
  rect 1.5x1.5 hole 0.8: 1(-2.54,0)
  round 1.5 hole 0.8: 2(0,0) 3(2.54,0)
  silkscreen extent -3.6,-1.02 3.6,1.02
SIP100-7P [mm]
  rect 1.5x1.5 hole 0.8: 1(-7.62,0)
  round 1.5 hole 0.8: 2(-5.08,0) 3(-2.54,0) 4(0,0) 5(2.54,0) 6(5.08,0) 7(7.62,0)
  silkscreen extent -8.89,-1.02 8.89,1.02
SK12D07VG3 [mil]
  round 50 hole 30: 1(-78.74,0) 2(0,0) 3(78.74,0)
  oval 60x100 hole 30 slot 60 at 90 deg: ""(-180,0) ""(180,0)
  silkscreen extent -177,-217 177,98
SMD_3225 [mm]
  rect 1.2x1 smd: 1(-1.1,-0.775) 2(1.1,-0.775) 3(1.1,0.775) 4(-1.1,0.775)
  Top Layer pour cut-out: -1.9,1.5 1.9,1.5 1.9,-1.5 -1.9,-1.5
  silkscreen extent -2.03,-1.63 1.85,1.45
SOD-123 [mm]
  rect 1x0.8 smd: 1(0,1.6) 2(0,-1.6)
  silkscreen extent -0.9,-1.4 0.9,1.4
SOP8_PAD [mm]
  rect 0.6x1.6 smd: 1(-1.905,-2.8) 2(-0.635,-2.8) 3(0.635,-2.8) 4(1.905,-2.8) 5(1.905,2.8) 6(0.635,2.8) 7(-0.635,2.8) 8(-1.905,2.8)
  rect 3.4x2.5 smd: 9(0,0)
  silkscreen extent -3.39,-2.92 2.55,2
SOT23-6 [mm]
  rect 0.55x1.016 smd: 1(-0.95,-1.3) 2(0,-1.3) 3(0.95,-1.3) 4(0.95,1.3) 5(0,1.3) 6(-0.95,1.3)
  silkscreen extent -1.52,-0.5 1.5,0.5
SOT-23 [mm]
  rect 0.9x0.9 smd: 1(-0.991,-1.161) 2(1.009,-1.161) 3(0.009,1.139)
  silkscreen extent -1.69,-0.56 1.61,0.54
SOT-89-3L [mil]
  rect 50x34 smd: 1(49,-60.15) 3(49,60.15)
  oval 137.8x80 smd: 2(-49,0)
  rect 51.18x34 smd: 2(49,0.15)
  silkscreen extent -84,-86 20,86
SW-4.5X4.5-SMT1 [mil]
  rect 100x50 smd: 1(-120,-60) 2(120,-60) 3(120,60) 4(-120,60)
  silkscreen extent -91,-91 91,91
TF_CARD-AUTO-NO [mm]
  rect 0.7x1.6 smd: 1(-0.8,11) 2(-1.9,11) 3(-3,11) 4(-4.1,11) 5(-5.2,11) 6(-6.3,11) 7(-7.4,11) 8(-8.5,11) 9(-9.6,11)
  rect 1x1.5 smd: 10(-10.9,10)
  rect 1.6x1.5 smd: 11(3.8,10)
  rect 1.2x2.2 smd: 12(-10.8,0.4) 13(4.7,0.4)
  round 1 hole 1 unplated: 14(0,0) 15(-8,0)
  silkscreen extent -10.43,-3.77 4.33,10.75
TPC#1 [mm]
  round 1 smd: 1(0,0)
  silkscreen extent -0.46,-0.46 0.46,0.46
TPC#2 [mm]
  round 0.6 smd: 1(0,0)
  silkscreen extent -0.4,-0.4 0.4,0.4
TYPE-C [mm]
  oval 1.2x1.8 hole 0.5 slot 1.2 at 90 deg: A0(-4.4,1.85) A0(4.4,1.85)
  oval 1.2x1.8 hole 0.5 slot 1 at 90 deg: A0(-4.4,-1.85) A0(4.4,-1.85)
  rect 0.7x1.5 smd: A5(-0.5,2.231) B5(0.5,2.231)
  rect 0.8x1.5 smd: A9(1.52,2.231) B9(-1.52,2.231)
  rect 0.9x1.5 smd: A12(2.83,2.231) B12(-2.83,2.231)
  silkscreen extent -4.4,-5 4.4,0.83

## Part data
C3: library part CAPACITOR_0_5
C4 C37 C41 C139 C181 C403: library part CAP_8
C5 C32: library part CAP_NP_2
C7 C8 C26 C77 C107 C108 C109 C120 C121 C203 C207 C301: library part CAPACITOR_0_6
C29 C39 C168: library part CAP_NP_4
C36 C38 C40 C180 C302 C402: library part CAP_11
C119: library part CAP_NP_7
C132 C133 C206: library part CAPACITOR_0_2
C166 C167: library part CAPACITOR_0_3
C204 C256: library part CAPACITOR_3
C215: library part CAPNP
C249: library part CAP_4
C253 C254: library part "CAP NP_Dup4"
CN1: library part USB_TYPE_A_5
D5: library part 1_1.5KE100A
D7 D108: library part DIODE_3
D12 D13: library part LED_0_2
ESD5: library part VARISTOR, "Mutilayer Varistor,,5.5V,10PF"
FB4: library part R_6
J1: library part CON8_1
J3: library part CON7
J8: library part MICPHONE_2
J10 J101: library part CON24
J18: library part CON3
J113: library part CONFPC_15
JP3: library part CON4
L6: library part INDUCTOR_4
L7: library part INDUCTOR_4, "RoHS Power Inductor 22uH 300mA H<1.8MM,CD32"
MK4 MK5 MK6 MK7: library part MK
POWER_EN1 POWER_VSYS SPK+ SPK- TP3 TP11 TP13 TP25 TP26 TP33 TP91 TP93 TP95 TP97 TP109: library part TEST_POINT_2, "PAD_SM;TEST;0.025 ROUND"
Q1: library part NPN_0
Q2: library part NPN_2
Q4: library part MOSFET_P_2
Q8: library part "P MOSFET"
Q10 Q15 Q25 Q27 Q28: library part NPN
R9 R23 R29 R202 R208 R210 R301 R302 R382: library part R_2
R14 R15 R16 R20 R151 R201 R213 R253 R274 R277: library part R
R18 R61 R62 R118 R163 R200 R203 R204 R205 R218 R272 R273 R283 R284 R293 R337 R338: library part R_4
R41 R48 R49 R209 R211: library part RESISTOR_3, "ROHS CHIP RES  1/10W 5% SMT R0603"
R55: library part RESISTOR_6, "ROHS CHIP RES  1/10W 5% SMT R0603"
R57: library part RESISTOR_5
R115: library part RESISTOR_5, "ROHS CHIP RES 1K 1/16W 5%"
R139 R140 R528: library part RESISTOR_Dup4, "ROHS CHIP RES 33R 1/16W 5%"
R206 R271 R294: library part R_5
R275 R276: library part RESISTOR_5, "ROHS CHIP RES  1/10W 5% SMT R0603"
SD8: library part LED-DOUBLE_COLOR_D3MM_3, "LED RED SQUARE 30MA SMT"
SK1: library part "SW DPDT"
SW5 SW6: library part SW4P_0_2, "KEY,SMT"
U4: library part ME6401X-T_1
U34: library part AP5057__0
U35: library part AP8248A2_2
U601: library part AW2013DNR_0
X1: library part CRYSTAL_XCOL-3_0
X3: library part CRYSTAL-4_0, "Crystal 24MHz 20pF 10ppm  -30 to +85"

## Free pads (board coordinates)
  round 1 smd far side: 0(-78.652,-104.132) 1(-78.592,-102.192) 2(-77.312,-89.362) 3(-77.432,-87.842) 4(-77.462,-86.262) 5(-77.332,-84.692) 6(-77.222,-76.472) 7(-77.332,-78.262)
  round 0.6 smd: 0(-52.45,-69.44)
  round 0.7 smd far side: 13(4.14,-82.351) 14(5.54,-82.351) 15(4.84,-83.751) 16(6.24,-83.751) 17(6.94,-82.351) 18(8.34,-82.351) 19(9.04,-83.751) 20(7.64,-83.751) 21(9.74,-82.351) 22(10.44,-83.751) 23(11.14,-82.351) 24(11.84,-83.751) 25(12.54,-82.351) 26(3.44,-83.751) 27(2.74,-82.351) 28(2.04,-83.751) 29(1.34,-82.351)

## Via types
v1: diameter 0.4, hole 0.25, Top Layer to Bottom Layer, 816 vias

## Nets (pads, with @x,y where several pads share a name; then routed paths per layer and width w, separated by ;. In a path a pad name is that pad's centre, name@x,y a point inside that pad or via, vN(x,y) a via of type N, cw(c..) or ccw(c..) an arc to the next point about the centre after c; other vN are vias at no path point)
A5: CN1.A5
AGND: C36.2 C37.2 C40.2 C41.2 FB4.2 U35.2 | length 12.9
  Top Layer w0.2: U35.2@-42.718,-102.206 -41.444,-102.206 ; -41.14,-102.206 -41.444,-102.206 ; C36.2@-39.916,-102.206 v1(-40.342,-102.206) -40.835,-102.206 -41.444,-102.206 ; FB4.2@-39.877,-93.797 -39.877,-95.566 v1(-39.877,-96.152) C41.2@-39.877,-96.684 C41.2@-39.717,-96.524
  Bottom Layer w0.2: v1(-40.342,-102.206) -40.852,-101.696 -40.852,-97.127 v1(-39.877,-96.152)
ANT: C18.2 U2.2 | length 1.7
  Top Layer w0.3: -44.594,-59.295 C18.2@-44.594,-57.628
AOUT_EN: J3.2 pad.0@-52.45,-69.44 R275.1 U2.34 | length 37
  Top Layer w0.15: -54.557,-77.807 -54.557,-76.741 ; v1@-54.162,-78.292 -54.172,-78.282 -54.557,-77.897 -54.557,-76.741 ; U2.34@-51.358,-66.928 v1(-51.358,-67.322) -51.358,-67.987 -52.63,-69.26 -54.557,-71.186 -54.557,-75.973 -54.552,-75.977 -54.552,-76.737 -54.557,-76.741 ; v1(-44.354,-72.503) -44.354,-73.55 -43.712,-74.192 -40.562,-74.192 -39.878,-73.507 R275.1@-39.87,-73.507
  Bottom Layer w0.15: J3.2@-59.202,-78.942 -54.832,-78.942 v1(-54.162,-78.272) ; v1(-51.358,-67.322) -46.442,-67.322 -45.822,-67.942 -45.822,-71.912 -45.012,-72.722 -44.572,-72.722 v1(-44.354,-72.503)
AUDIO_AEC: C77.2 U35.11 | length 1.8
  Top Layer w0.15: U35.11@-42.718,-97.706 C77.2@-40.883,-97.706
AUDIO_EN1: C44.2 R48.2 R49.2 R55.1 | length 36.3
  Top Layer w0.15: C44.2@-42.824,-86.168 v1(-42.824,-86.642) -42.824,-86.658 -37.99,-91.491 R55.1@-37.99,-96.662 R55.1@-37.99,-96.692 ; v1@-38.67,-70.159 v1(-38.67,-70.112) -38.67,-69.58 R48.2@-38.67,-68.627
  Bottom Layer w0.15: v1(-42.824,-86.642) -45.282,-84.183 -45.282,-75.372 -41.602,-71.692 -40.382,-71.692 ; -39.772,-71.692 -40.382,-71.692 ; v1(-38.67,-70.112) -38.67,-71.019 -39.342,-71.692 -40.382,-71.692
AUDIO_L: TP33.1 U35.6 | length 2
  Top Layer w0.2: U35.6@-42.718,-100.206 -42.172,-100.206 -41.902,-99.935 TP33.1@-40.835,-99.935
AUDIO_R: TP25.1 U35.5 | length 1.3
  Top Layer w0.2: U35.5@-42.718,-100.706 -42.156,-100.706 -41.995,-100.545 -41.502,-100.545 TP25.1@-41.495,-100.545
AUDLN: TP11.1 U2.51 | length 1.9
  Top Layer w0.2: U2.51@-44.209,-67.677 -43.934,-67.677 TP11.1@-42.765,-68.846
AUDLP: C57.2 U2.52 | length 2.6
  Top Layer w0.2: U2.52@-43.459,-66.928 -43.301,-66.928 C57.2@-41.601,-68.627
AUDRP: C56.2 U2.48 | length 5.9
  Top Layer w0.2: U2.48@-45.409,-67.677 -45.409,-69.555 -45.152,-69.812 -41.812,-69.812 C56.2@-41.581,-69.58
AVDD: C40.1 C41.1 U35.12 | length 2.9
  Top Layer w0.15: C41.1@-40.878,-96.684 C41.1@-40.824,-96.63 ; C40.1@-40.878,-95.621 C40.1@-40.824,-95.566
  Top Layer w0.3: U35.12@-42.352,-97.206 -41.744,-97.206
  Top Layer w0.4: -41.744,-97.206 -41.222,-96.684 C41.1@-40.878,-96.684 ; C41.1@-40.824,-96.63 C40.1@-40.824,-95.566
B5: CN1.B5
CEN: C53.2 J3.6 J18.1 Q10.3 R382.2 U2.36 V16.1 | length 20.3
  Top Layer w0.15: Q10.3@-53.532,-76.973 -53.532,-74.621 J18.1@-52.932,-74.022 v1@-52.932,-70.272 ; v1@-52.922,-70.272 C53.2@-51.513,-70.272 ; R382.2@-50.569,-71.212 -51.509,-70.272 C53.2@-51.513,-70.272 ; U2.36@-50.209,-67.677 -50.209,-68.608 -50.422,-68.822 -51.022,-68.822 -51.483,-69.282 V16.1@-51.483,-69.352 -51.483,-70.242 C53.2@-51.513,-70.272
  Bottom Layer w0.15: J3.6@-59.202,-68.352 -57.282,-70.272 -52.932,-70.272 v1(-52.922,-70.262)
CHRG: J10.12 U1.7 | length 54.9
  Top Layer w0.15: J10.12@-73.093,-63.77 -65.772,-63.77 -62.972,-66.57 -62.972,-73.241 -61.037,-75.176 -61.037,-82.216 -57.857,-85.396 -57.857,-88.457 -62.902,-93.502 -62.902,-102.402 -63.432,-102.932 -64.972,-102.932 -65.306,-102.598 U1.7@-65.306,-101.785
CHRG1: D12.2 J101.12 pad.14 | length 39.4
  Top Layer w0.15: v1@5.37,-91.1 5.98,-90.49 5.98,-89.84 ; 5.98,-90.38 5.98,-89.84 ; v1(5.98,-84.877) J101.12@5.98,-87.504 5.98,-89.84
  Top Layer w0.2: v1(12.12,-92.04) 12.609,-92.529 12.609,-96.76 ; 12.609,-95.019 12.609,-96.76 ; D12.2@16.407,-109.772 14.77,-109.772 12.609,-107.611 12.609,-96.76
  Bottom Layer w0.15: v1(5.34,-91.07) 5.62,-91.07 5.945,-90.745 10.825,-90.745 v1(12.12,-92.04) ; pad.14@5.54,-82.351 5.54,-83.977 5.98,-84.416 v1(5.98,-84.877)
DAC_X: TP26.1 U35.1 | length 1.8
  Top Layer w0.2: U35.1@-42.718,-102.706 -42.718,-103.284 -41.857,-104.146 TP26.1@-41.851,-104.152
DN: J101.22 pad.25 R278.1 | length 22.1
  Top Layer w0.2: v1(10.99,-86.25) 10.98,-86.26 J101.22@10.98,-87.504 10.98,-88.65 11.57,-89.24 14.04,-89.24 21.224,-96.424 R278.1@21.224,-98.145
  Bottom Layer w0.2: v1(10.99,-86.25) 11.016,-86.25 12.52,-84.746 pad.25@12.52,-82.371
DP: J101.21 pad.24 R279.1 | length 23.4
  Top Layer w0.2: J101.21@10.48,-87.504 v1(10.48,-85.923) 10.814,-85.589 11.209,-85.589 11.62,-86 11.62,-88.22 12.12,-88.72 14.06,-88.72 22.114,-96.774 R279.1@22.114,-98.145
  Bottom Layer w0.2: v1(10.48,-85.923) 11.84,-84.563 pad.24@11.84,-83.751
EXTCHARGE: Q1.1 U2.13 | length 10.5
  Top Layer w0.2: Q1.1@-54.039,-53.58 -54.039,-55.365 v1@-53.702,-55.702 ; v1(-49.172,-58.891) -49.163,-58.891 -49.008,-59.047 U2.13@-49.008,-59.777
  Bottom Layer w0.2: v1(-53.682,-55.712) -53.027,-56.367 -53.027,-57.991 ; -53.027,-57.67 -53.027,-57.991 ; v1(-49.172,-58.891) -49.219,-58.938 -52.362,-58.938 -53.027,-58.273 -53.027,-57.991